# KiCad board polygonus-Shortage-Version.kicad_pcb (continued)
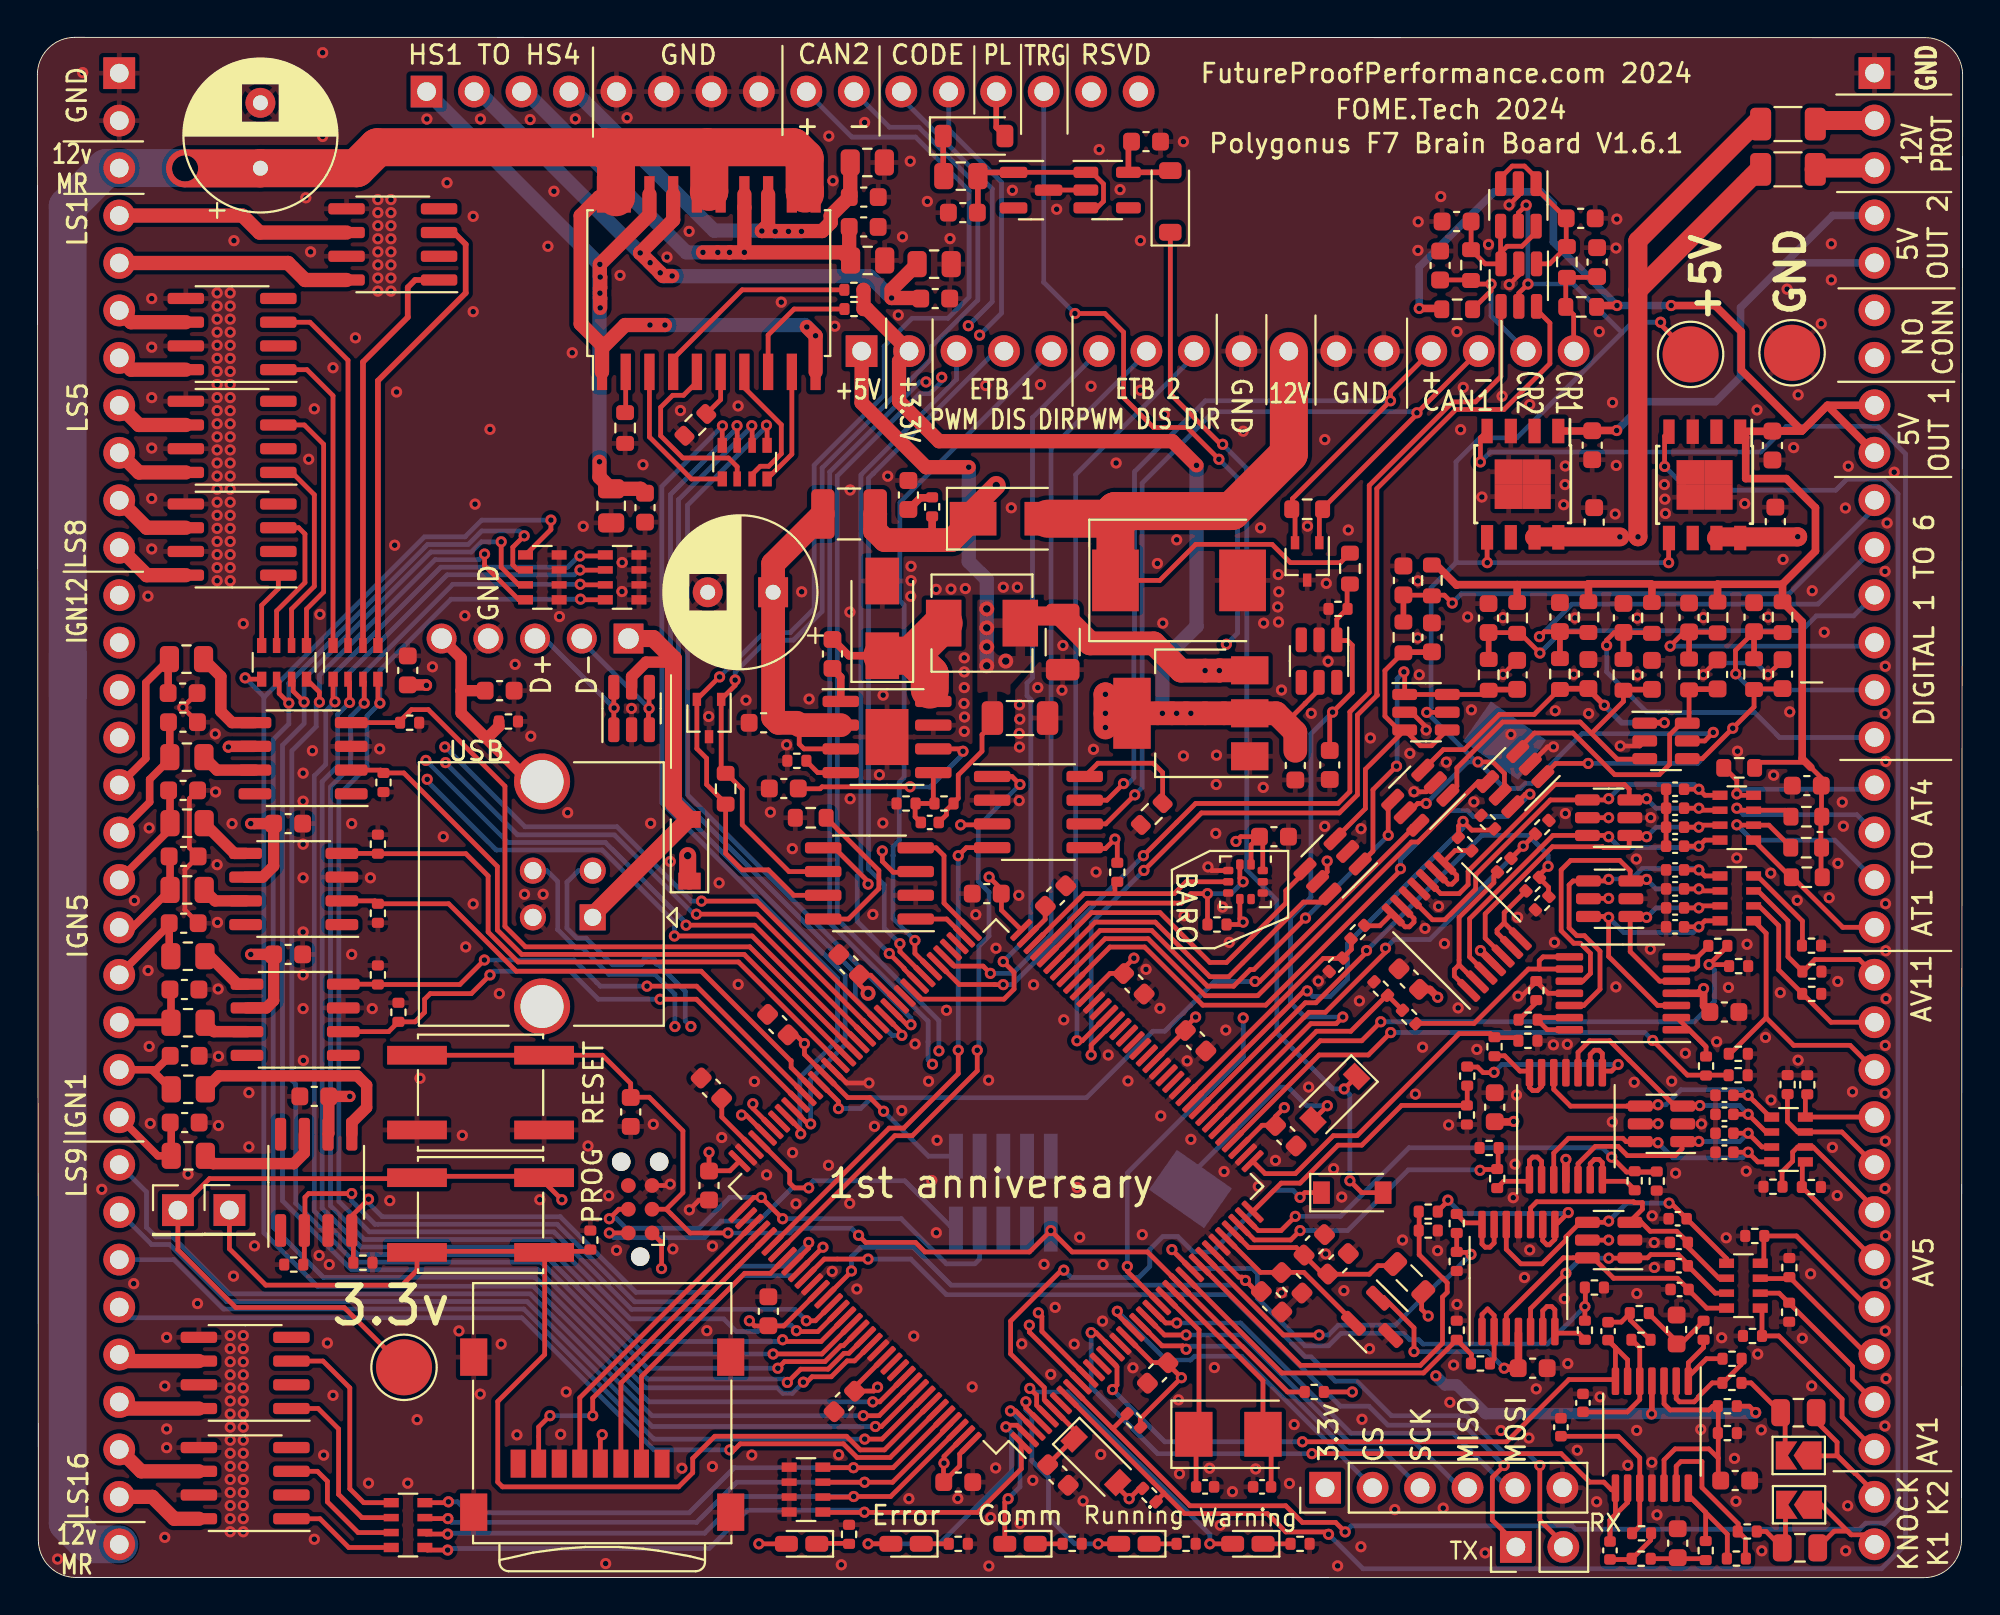
[diagram p0: board, top side]
## Routing (per net, layer and track width the routed paths; a pad name or vN(x,y) marks a point on that pad's centre or on a via; arc(x,y) is an arc through that point) (continued)
/IGN12: length 50.1
  Top w0.254: v1(35.53,36.21) 38.49,36.21 44.99,29.72 U26.87
  In2.Cu w0.254: J4.12 4.49,52.58 9.81,47.26 11.86,47.26 12.9,46.23 20.03,46.23 v1(21.8,44.46)
  Bottom w0.254: v1(21.8,44.46) 21.82,44.46 26.09,40.19 31.01,40.19 34.99,36.21 v1(35.53,36.21)
/Keep_Alive/Keep_Alive: length 58.1
  Top w0.254: v1(69.92,26.16) D6.1 ; v1(63.42,60.66) 63.32,60.66 60.62,63.35 60.62,63.35 D17.1 ; D7.2 70.86,20.61 v1(70.23,21.24)
  Bottom w0.254: v1(70.23,21.24) 70.23,25.85 v1(69.92,26.16) 69.32,26.16 66.32,29.16 66.32,36.26 64.71,37.86 64.71,59.36 v1(63.42,60.66)
/knock/FILTERED_1: length 36.3
  Top w0.254: U26.14 57.76,11.29 57.76,10.3 v1(57.53,10.07) ; v1(67.69,7.27) 78.61,7.27 81.94,10.6 84.43,10.6 84.43,12.31 84.04,12.71 85.08,11.66 85.08,10.6
  Bottom w0.254: v1(67.69,7.27) 60.32,7.27 v1(57.53,10.07)
/knock/FILTERED_2: length 40.9
  Top w0.254: U26.15 56.64,13.11 v1(56.38,13.11) ; v1(68.19,6.64) 81.53,6.64 83.05,5.11 83.81,5.11 84.23,4.7 84.43,4.7 84.43,3.38 84.14,3.09 84.14,1.94 84.14,3.08 85.08,4.02 85.08,4.7
  Bottom w0.254: v1(56.38,13.11) 56.38,10.19 59.94,6.64 v1(68.19,6.64)
/knock/V_mid: length 13.4
  Top w0.254: 89.93,6.39 89.93,7.73 89.94,7.74 89.93,7.74 89.93,9.18 89.64,9.18 89.44,8.97 87.36,8.97 87.03,9.3 87.03,10.6 ; 89.93,6.39 89.44,6.89 87.62,6.89 87.03,6.3 87.03,4.7 ; 89.93,6.39 89.93,5.31 90.05,5.2
/KNOCK_1: length 8.5
  Top w0.254: 97.27,5.56 96.31,6.52 94.98,6.52 JP1.1 ; 97.27,5.56 96.29,6.54 96.29,7.25 95.16,8.38 95.16,8.83 ; 97.27,5.56 97.29,5.56 98.29,4.56 J5.31
/KNOCK_2: length 6.4
  Top w0.254: 97.05,2.29 97.79,2.29 J5.32 ; 97.05,2.29 96.86,2.49 96.14,2.49 95.24,1.59 ; 97.05,2.29 95.44,3.9 JP2.1
/lowside_quad1/IN1: length 73.7
  Top w0.254: U26.123 41.63,13.75 v1(41.14,13.75) ; v1(18.33,46.81) 18.22,46.91 RN6.4 ; v1(29.06,52.37) 29.1,52.33 RN5.8
  Bottom w0.254: v1(41.14,13.75) 40.53,14.36 31.79,14.36 27.64,18.51 17.76,18.51 16.13,20.14 16.13,41.9 17.64,43.4 17.64,46.12 v1(18.33,46.81) 18.33,48.56 22.13,52.37 29.06,52.37 v1(29.06,52.37)
/lowside_quad1/IN2: length 76.2
  Top w0.254: v1(29.04,53.16) 29.07,53.13 RN5.7 ; v1(40.61,13.22) 40.66,13.17 41.76,13.17 U26.124 ; v1(17.49,46.81) 17.49,47.94 17.42,48.01 RN6.3
  Bottom w0.254: v1(40.61,13.22) 40.31,13.52 38.88,13.52 38.53,13.17 37.4,13.17 36.72,13.85 31.72,13.85 27.47,18.1 17.48,18.1 15.69,19.9 15.69,42.33 16.75,43.39 16.75,46.06 v1(17.49,46.81) 17.47,46.82 17.47,48.41 22.23,53.16 v1(29.04,53.16)
/lowside_quad1/IN3: length 78.1
  Top w0.254: RN6.2 16.62,48.01 16.7,47.93 v1(16.7,46.84) ; v1(39.87,12.73) 39.97,12.64 41.93,12.64 U26.125 ; v1(29.03,53.93) 29.04,53.92 30.37,53.92 RN5.6
  Bottom w0.254: v1(29.03,53.93) 28.99,53.93 28.73,53.67 21.93,53.67 16.7,48.45 v1(16.7,46.84) 16.06,46.2 16.06,43.43 15.23,42.6 15.23,19.77 17.31,17.7 27.3,17.7 32.36,12.64 39.78,12.64 v1(39.87,12.73)
/lowside_quad1/IN4: length 80.2
  Top w0.254: RN5.5 30.33,54.68 v1(29.03,54.68) ; U26.126 41.97,11.97 v1(39.36,11.97) ; RN6.1 15.82,46.97 v1(15.92,46.87)
  Bottom w0.254: v1(39.36,11.97) 32.45,11.97 27.13,17.29 17.14,17.29 14.82,19.62 14.82,42.91 15.43,43.52 15.43,46.38 v1(15.92,46.87) 15.92,48.42 21.58,54.08 28.37,54.08 28.97,54.68 v1(29.03,54.68)
/lowside_quad2/IN1: length 80.1
  Top w0.254: v1(39.62,11.21) 39.97,11.56 42.14,11.56 42.99,12.41 43.12,12.41 U26.127 ; RN8.4 15.09,47.4 v1(15.09,46.86) ; RN7.8 25.76,52.33 23.93,54.17 v1(23.93,54.78)
  Bottom w0.254: v1(39.62,11.21) 32.64,11.21 26.97,16.88 16.98,16.88 13.82,20.04 13.82,26.41 13.62,26.61 13.62,44.26 14.92,45.56 14.92,46.69 v1(15.09,46.86) 15.09,48.29 21.28,54.49 23.63,54.49 v1(23.93,54.78)
/lowside_quad2/IN2: length 82.8
  Top w0.254: v1(14.27,46.86) 13.69,47.44 13.69,48 RN8.3 ; U26.128 43.42,12.01 43.16,12.01 42.31,11.16 40.84,11.16 v1(40.13,10.45) ; RN7.7 25.76,53.13 24.82,54.08 v1(24.82,55.44)
  Bottom w0.254: v1(40.13,10.45) 39.94,10.63 32.65,10.63 26.8,16.48 16.81,16.48 13.12,20.17 13.12,44.56 14.27,45.71 v1(14.27,46.86) 14.27,48.12 21.05,54.89 23.22,54.89 23.76,55.44 v1(24.82,55.44)
/lowside_quad2/IN3: length 86.5
  Top w0.254: RN7.6 25.71,53.93 25.44,54.21 25.44,55.15 v1(26.05,55.76) ; v1(40.98,10.46) 41.16,10.46 41.45,10.75 42.48,10.75 43.32,11.6 43.72,11.6 U26.129 ; RN8.2 12.94,47.95 12.94,47.32 v1(13.45,46.81)
  Bottom w0.254: v1(26.05,55.76) 25.79,56.02 23.77,56.02 23.05,55.3 20.88,55.3 13.45,47.87 v1(13.45,46.81) 13.45,45.69 12.62,44.86 12.62,18.76 15.3,16.07 26.63,16.07 32.54,10.16 39.6,10.16 39.89,9.87 40.39,9.87 v1(40.98,10.46)
/lowside_quad2/IN4: length 91.4
  Top w0.254: v1(11.12,48.16) 11.19,48.09 RN8.1 11.99,48.09 11.92,48.16 ; RN7.5 27.48,56.09 v1(27.48,56.6) ; U26.134 45.07,9.41 v1(44.7,9.41)
  Bottom w0.254: v1(44.7,9.41) 32.72,9.41 26.53,15.59 14.98,15.59 12.12,18.46 12.12,47.11 12.14,47.13 ; 12.14,47.13 v1(11.12,48.16) ; 12.14,47.13 20.71,55.7 22.88,55.7 23.78,56.6 v1(27.48,56.6)
/lowside_quad4/IN1: length 31.8
  Top w0.254: U26.140 45.79,5.88 v1(43.67,5.88) 42.05,5.88 RN9.8 ; v1(21.99,4.06) 21.95,4.01 RN10.4
  Bottom w0.254: v1(21.99,4.06) 22.48,4.06 23.07,3.47 34.87,3.47 37.29,5.88 v1(43.67,5.88)
/lowside_quad4/IN2: length 32.7
  Top w0.254: U26.141 48.88,8.23 45.75,5.1 v1(44.26,5.1) 42.03,5.1 RN9.7 ; v1(21.96,3.16) 20.78,3.16 RN10.3
  Bottom w0.254: v1(21.96,3.16) 22.17,2.96 35.27,2.96 37.42,5.1 v1(44.26,5.1)
/lowside_quad4/IN3: length 32.5
  Top w0.254: RN9.6 43.65,4.31 v1(43.68,4.34) 45.66,4.34 U26.142 ; RN10.2 20.81,2.33 v1(21.95,2.33)
  Bottom w0.254: v1(21.95,2.33) 22,2.38 35.7,2.38 37.66,4.34 v1(43.68,4.34)
/lowside_quad4/IN4: length 37.5
  Top w0.254: U26.1 52.65,5.83 50.31,3.49 44.26,3.49 v1(44.25,3.5) 44.24,3.49 42.05,3.49 RN9.5 ; v1(21.95,1.48) 20.87,1.48 RN10.1
  Bottom w0.254: v1(44.25,3.5) 44.14,3.61 37.99,3.61 35.94,1.56 22.04,1.56 v1(21.95,1.48)
/LS1: length 12.5
  Top w0.762: J4.4 10.97,72.9 11.88,71.99 U1001.6
/LS2: length 12.5
  Top w0.762: J4.5 13.41,70.36 14.32,69.45 U1001.8
/LS3: length 3.8
  Top w0.762: J4.6 5.01,67.19 7.94,67.19
/LS4: length 3.8
  Top w0.762: 7.94,64.65 5.01,64.65 J4.7
/LS5: length 4
  Top w0.762: 7.94,61.69 5.43,61.69 J4.8
/LS6: length 4
  Top w0.762: J4.9 5.43,59.15 7.94,59.15
/LS7: length 4.2
  Top w0.762: 7.94,56.19 5.85,56.19 J4.10
/LS8: length 4.2
  Top w0.762: J4.11 5.85,53.65 7.94,53.65
/LS9: length 49.8
  Top w0.254: v1(44.19,8.67) 45.03,8.67 U26.135
  Bottom w0.254: J4.24 5.84,20.64 5.84,18.75 6.35,18.23 7.24,18.23 10.29,15.19 26.37,15.19 32.88,8.67 v1(44.19,8.67)
/LS10: length 48.3
  Top w0.254: v1(44.84,8.09) 45.16,8.09 U26.136
  Bottom w0.254: J4.25 6.11,17.83 7.07,17.83 10.12,14.78 26.2,14.78 32.89,8.09 v1(44.84,8.09)
/LS11: length 48
  Top w0.254: U26.137 45.19,7.41 v1(44.27,7.41)
  Bottom w0.254: J4.26 7.31,17.02 9.95,14.37 26.03,14.37 32.99,7.41 v1(44.27,7.41)
/LS12: length 48.5
  Top w0.254: U26.139 45.62,6.43 43.86,6.43 43.13,7.16 37.6,7.16 37.28,6.84 v1(37.05,6.84)
  Bottom w0.254: J4.27 4.95,13.91 25.92,13.91 32.99,6.84 v1(37.05,6.84)
/LS13: length 4.4
  Top w0.762: U1201.6 4.73,11.59 J4.28
/LS14: length 4.4
  Top w0.762: J4.29 4.73,9.05 U1201.8
/LS15: length 4.7
  Top w0.762: J4.30 5.55,5.69 8.64,5.69
/LS16: length 4.7
  Top w0.762: J4.31 6.15,4.32 7.32,3.15 U1202.8
/mcu/AT1: length 24.9
  Top w0.254: 78.82,38.48 v1(79.5,39.15) 80.17,39.82 ; U26.44 68.04,30.26 68.91,30.26 72.13,33.48 v1(72.13,33.69)
  Bottom w0.254: v1(72.13,33.69) 72.59,34.15 74.5,34.15 v1(79.5,39.15)
/mcu/AT2: length 27.8
  Top w0.254: v1(80.83,38.07) 80.35,37.59 80.35,37.46 80.86,36.95 80.86,36.44 ; U26.45 67.84,30.77 68.41,30.77 71.11,33.47 v1(71.11,33.56)
  Bottom w0.254: v1(71.11,33.56) 77.28,39.73 79.77,39.73 80.83,38.67 v1(80.83,38.07)
/mcu/AT3: length 24.9
  Top w0.254: v1(67.94,31.4) 67.77,31.4 U26.46 ; 76.04,39.6 76.04,40.23 v1(76.28,40.47) 76.74,40.01 77.79,40.01
  Bottom w0.254: v1(76.28,40.47) 76.28,40.12 70.1,33.94 70.1,32.04 69.16,31.1 68.24,31.1 v1(67.94,31.4)
/mcu/AT4: length 12.6
  Top w0.254: 70.3,34.2 70.3,33.62 69.82,33.14 68.8,33.14 U26.47
/mcu/AUX_SPI_CS: length 19.2
  Top w0.254: U26.18 57.78,14.1 v1(57.78,14.26)
  Bottom w0.254: v1(57.78,14.26) 60.39,11.65 61.7,11.65 61.91,11.85 64.43,11.85 71.44,4.84 J11.2
/mcu/AUX_SPI_MISO: length 20.9
  Top w0.254: U26.20 60.31,12.99 v1(61.46,12.99)
  Bottom w0.254: v1(61.46,12.99) 64.44,12.99 70.21,7.22 73.71,7.22 76.11,4.81 J11.4
/mcu/AUX_SPI_MOSI: length 23.3
  Top w0.254: U26.21 60.37,13.63 v1(60.96,13.63)
  Bottom w0.254: J11.5 78.65,4.81 75.74,7.73 70.28,7.73 64.37,13.63 v1(60.96,13.63)
/mcu/AUX_SPI_SCK: length 18.7
  Top w0.254: v1(61.46,12.22) 61.28,12.41 60.18,12.41 U26.19
  Bottom w0.254: v1(61.46,12.22) 61.62,12.38 64.47,12.38 70.08,6.77 72.01,6.77 J11.3
/mcu/BARO_SCL: length 14.9
  Top w0.254: U24.2 64.34,37.42 v1(64.51,37.24) ; 62.61,34.98 v1(62.61,36.61) 61.72,36.61 61.21,36.1 56.2,36.1 U26.69
  Bottom w0.254: v1(62.61,36.61) 63.88,36.61 v1(64.51,37.24)
/mcu/BARO_SDA: length 12.4
  Top w0.254: 57.65,36.61 57.65,37.14 57.78,37.27 ; 57.65,36.61 56,36.61 U26.70 ; 57.65,36.61 60.83,36.61 61.46,37.24 U24.4
/mcu/BOOT0: length 63.1
  Top w0.254: 29.59,17.58 29.47,17.46 27.14,17.46 ; J16.1 10.28,17.6 12.22,15.66 19.52,15.66 20.32,16.46 20.31,16.46 SW2.1 ; 27.14,17.46 20.34,17.46 ; 27.14,17.46 27.14,11.94 24.63,9.43 24.63,5.11 24.89,4.86 34.31,4.86 35.06,5.62 35.06,6.38 36.25,7.57 43.3,7.57 44.03,6.84 45.32,6.84 U26.138
/mcu/CAN2_RX: length 6.3
  Top w0.254: U5.4 48.09,39.06 48.51,38.64 48.51,36.1 49.94,34.67 U26.73
/mcu/CAN2_TX: length 3
  Top w0.254: U5.1 48.65,35.25 U26.74
/mcu/CAN_RX: length 27.4
  Top w0.254: v1(49.27,28.23) 49.27,26.98 46.36,24.06 45.58,24.06 U26.114 ; U4.4 49.7,39.07 v1(49.27,38.64)
  Bottom w0.254: v1(49.27,38.64) v1(49.27,28.23)
/mcu/CAN_TX: length 33
  Top w0.254: U4.1 52.14,42.88 v1(52.57,42.45) ; U26.115 45.88,23.65 46.81,23.65 50.29,27.13 v1(50.29,28.23)
  Bottom w0.254: v1(50.29,28.23) 50.37,28.31 50.37,33.79 50.92,34.34 50.92,36.68 50.34,37.26 50.34,40.22 v1(52.57,42.45)
/mcu/DIGITAL1: length 38.9
  Top w0.254: 73.55,40.21 73.55,40.06 65.4,31.91 v1(65.15,31.91) ; v1(42.86,25.1) 42.86,25.48 U26.96
  Bottom w0.254: v1(65.15,31.91) 62.99,31.91 60.32,29.24 59.68,29.24 56.13,25.69 44.63,25.69 44.04,25.1 v1(42.86,25.1)
/mcu/DIGITAL2: length 32.9
  Top w0.254: v1(72.93,37.94) 72.93,37.85 65.72,30.64 62.35,30.64 59.24,33.75 57.39,33.75 U26.64 ; v1(79.86,41.93) 79.61,41.93 U8.6
  Bottom w0.254: v1(79.86,41.93) 78.66,40.74 76.83,40.74 76.52,41.05 76.04,41.05 76.04,41.05 75.55,41.05 72.93,38.43 v1(72.93,37.94)
/mcu/DIGITAL3: length 29.3
  Top w0.254: U26.65 57.13,34.2 59.43,34.2 62.48,31.15 65.29,31.15 73.52,39.37 73.87,39.37 77.1,42.6 U8.4
/mcu/DIGITAL4: length 18.7
  Top w0.254: U9.6 68.74,36.16 67.74,36.16 63.75,32.16 62.73,32.16 59.81,35.08 56.6,35.08 U26.67
/mcu/DIGITAL5: length 24.9
  Top w0.254: v1(72.28,39.73) 72.28,41.37 U10.4 ; U26.66 56.86,34.64 59.62,34.64 62.61,31.66 64,31.66 64.89,32.54 65.09,32.54 v1(67.85,35.3)
  Bottom w0.254: v1(72.28,39.73) v1(67.85,35.3)
/mcu/DIGITAL6: length 18.2
  Top w0.254: U26.68 56.4,35.59 60.07,35.59 62.73,32.93 63.62,32.93 66.8,36.1 66.8,36.77 67.82,37.79
/mcu/LED1: length 14.5
  Top w0.254: D10.2 v1(44.44,1.81) ; v1(51.82,8.07) 51.91,8.16 52.41,8.16 U26.2
  Bottom w0.254: v1(44.44,1.81) 48.25,1.81 52.12,5.68 52.12,7.77 v1(51.82,8.07)
/mcu/LED2: length 9.4
  Top w0.254: U26.3 52.35,8.92 v1(52.06,8.92) ; v1(51.94,4.22) 51.76,4.05 D11.2
  Bottom w0.254: v1(51.94,4.22) 52.57,4.86 52.57,8.41 v1(52.06,8.92)
/mcu/LED3: length 12.5
  Top w0.254: D12.2 v1(56.76,1.81) ; U26.4 52.89,9.09 v1(52.89,9.41)
  Bottom w0.254: v1(56.76,1.81) 55.49,1.81 54.1,3.21 54.1,5.37 53.21,6.26 53.21,8.66 52.89,8.98 v1(52.89,9.41)
/mcu/LED4: length 16.5
  Top w0.254: U26.5 53.47,9.22 53.47,9.76 v1(53.1,10.13) ; v1(62.73,1.81) D13.2
  Bottom w0.254: v1(53.1,10.13) 53.29,9.94 55.11,9.94 62.73,2.32 v1(62.73,1.81)
/mcu/nRESET: length 61.1
  Top w0.254: v1(43.94,18.32) 44.32,17.94 46.98,17.94 47.49,17.43 53.08,17.43 v1(54.22,18.57) 55.37,17.43 59.4,17.43 U26.25 66.89,9.94 67.84,9.94 ; SW1.1 SW1.1 30.23,27.96 31.74,26.45 31.74,25.71 32.74,25.71 34.54,23.91 34.54,20.61 33.65,19.72 ; J9.3 33.65,19.72 ; 33.65,19.72 34.92,18.45 v1(36.95,18.45)
  Bottom w0.254: J8.10 v1(54.22,18.57) ; v1(43.94,18.32) 43.56,18.7 40.51,18.7 40.25,18.45 v1(36.95,18.45)
/mcu/SD_CS: length 15
  Top w0.254: J10.2 32.32,10.77 37.84,16.29 39.22,16.29 U26.116
/mcu/SD_MISO: length 18.7
  Top w0.254: J10.7 26.82,8.06 v1(27.43,8.67) ; v1(29.71,8.67) 29.71,9.61 U26.112
  Bottom w0.254: v1(27.43,8.67) v1(29.71,8.67)
/mcu/SD_MOSI: length 15.3
  Top w0.254: U26.113 31.22,10.41 J10.3
/mcu/SD_SCK: length 16.6
  Top w0.254: J10.5 29.02,9.63 U26.111
/mcu/SWCLK: length 26.6
  Top w0.254: v1(30.6,19.21) 31.11,19.72 J9.4 ; v1(39.87,19.21) v1(38.73,20.35) 38.33,20.35 U26.109
  Bottom w0.254: v1(38.73,20.35) 37.05,20.35 35.39,18.7 31.49,18.7 30.98,19.21 v1(30.6,19.21) ; v1(39.87,19.21) 46.22,19.21 48.64,16.8 50.16,16.8 50.41,17.05 J8.4
/mcu/SWDIO: length 26.1
  Top w0.254: J9.2 v1(30.6,18.45) ; v1(41.27,20.86) 40.51,20.86 40.25,21.11 40.25,21.72 U26.105
  Bottom w0.254: v1(30.6,18.45) 30.86,18.19 35.69,18.19 36.58,19.08 38.6,19.08 40.38,20.86 v1(41.27,20.86) 41.27,20.99 41.52,21.24 46.41,21.24 48.99,18.66 J8.2
/mcu/UART_RX: length 49.4
  Top w0.254: 81.66,1.81 80.39,3.08 v1(80.39,6) ; U26.122 43.56,16.38 v1(43.56,16.42)
  Bottom w0.254: v1(43.56,16.42) 43.56,17.18 44.06,17.69 46.86,17.69 48.89,15.65 64,15.65 67.84,11.82 68.14,11.82 69.44,10.52 70.59,10.52 72.44,8.67 76.45,8.67 78.48,6.64 79.75,6.64 v1(80.39,6)
/mcu/UART_TX: length 47.4
  Top w0.254: v1(44.44,17.05) 42.1,17.05 U26.119 ; v1(78.48,6) 77.85,5.37 77.85,3.08 79.12,1.81
  Bottom w0.254: v1(78.48,6) 76.32,8.16 72.26,8.16 71.24,9.18 69.72,9.18 63.75,15.15 48.64,15.15 46.73,17.05 v1(44.44,17.05)
/mcu/VR_1: length 58.6
  Top w0.254: v3(59.21,37.85) 62.28,40.93 69.66,40.93 70.63,41.9 70.63,46.17 71.69,47.23 71.67,47.26 71.67,58.29 75.9,62.52 78.47,62.52 80.93,64.98 80.93,67.15 80.21,67.86 U14.6 ; U26.58 56.38,28.5 v3(56.38,27.97)
  Bottom w0.254: v3(56.38,27.97) 56.38,35.03 v3(59.21,37.85)
/mcu/VR_2: length 56
  Top w0.254: U26.59 55.91,28.73 v3(55.62,28.73) ; v3(59.18,38.64) 60.95,40.42 ; 60.95,40.42 61.97,41.43 69.59,41.43 70.22,42.07 70.22,46.34 71.26,47.37 71.26,58.45 75.73,62.93 76.94,62.93 78.3,64.29 78.3,68.03 U14.4
  Bottom w0.254: v3(55.62,28.73) 55.62,35.08 v3(59.18,38.64)
/Perm_Live: length 2.6
  Top w0.305: J7.13 51.3,77.62 D16.2
/quad_analog3/IN4: length 4.9
  Top w0.254: 94.44,33.83 94.44,35.14 92.02,37.55 RN4.4
/quad_analog3/OUT4: length 1.3
  Top w0.254: 79.28,29.86 80.2,30.78
/RC1: length 81.2
  Top w0.254: U26.10 55.82,10.39 53.07,13.14 v1(53.07,13.51)
  In1.Cu w0.254: v1(49.81,67) 49.78,66.98 48.79,66.98 47.86,66.05 47.86,64.49 47.55,64.18 v1(47.55,63.99) ; v1(53.07,13.51) 51.02,15.57 51.02,24.47 48.01,27.48 v1(47.89,27.48)
  Bottom w0.254: J7.11 46.22,79.2 51.09,74.33 51.09,68.29 v1(49.81,67) ; v1(47.55,63.99) 47.21,63.99 42.39,59.18 42.39,35.05 47.66,29.78 47.66,28.68 47.66,27.71 v1(47.89,27.48)
/RC2: length 80.4
  Top w0.254: U26.11 53.75,13.18 53.75,13.99 v1(53.56,14.18)
  In1.Cu w0.254: v1(53.56,14.18) 53.24,14.18 51.47,15.94 51.47,24.73 48.24,27.97 v1(48.24,28.19) ; v1(48.39,64.24) 48.41,64.27 49.61,64.27 50.44,65.1 50.44,66.47 v1(50.41,66.5)
  Bottom w0.254: J7.12 48.76,77.51 51.59,74.68 51.59,67.68 v1(50.41,66.5) ; v1(48.24,28.19) 48.24,29.81 42.8,35.24 42.8,58.96 47.2,63.37 47.74,63.37 48.39,64.01 v1(48.39,64.24)
/Trig_Scope: length 76.9
  Top w0.254: v1(58.32,16.66) 58.32,16.39 U26.22 ; v1(55.52,67.66) 57.12,67.66 58.12,66.66 58.12,63.16 59.72,61.56 61.52,61.56 v1(63.22,59.86)
  In1.Cu w0.254: v1(63.62,49.96) 64.82,48.76 64.82,46.46 66.52,44.76 66.62,44.76 66.62,32.06 v1(64.52,29.96)
  Bottom w0.254: v1(58.32,16.66) 58.32,21.66 64.52,27.86 v1(64.52,29.96) ; v1(63.62,49.96) 64.22,50.56 64.22,58.86 v1(63.22,59.86) ; v1(55.52,67.66) 53.84,69.33 J7.14
/USB_D+: length 41.2
  Top w0.254: U26.104 38.97,23.7 37.92,24.76 v3(37.68,24.76) ; U27.6 30.84,46.56 v3(30.86,46.54) 30.84,46.53 U27.1
  In1.Cu w0.254: v3(30.86,46.54) 31.49,45.91 31.49,43.17 27.88,39.56 27.88,38.24 27.48,37.84 J14.3 ; v3(37.68,24.76) 37.68,25 34.28,28.39 34.28,29.32 v3(34.11,29.5)
  Bottom w0.254: v3(34.11,29.5) 34.11,31.21 33.04,32.29 30.57,32.29 29.15,33.71 28.81,33.71 27.84,34.68 27.84,37.26 27.26,37.84 J14.3 ; J13.3 27.13,50.26 30.85,46.54 v3(30.86,46.54)
/USB_D-: length 40.9
  Top w0.254: U27.4 32.73,47.64 v3(32.73,46.52) 32.69,46.48 32.69,45.43 U27.3 ; U26.103 39.33,24.06 38.28,25.12 v3(38.28,25.36)
  In1.Cu w0.254: J14.2 28.91,37.84 28.41,38.33 28.41,39.33 32,42.92 32,45.79 v3(32.73,46.52) ; v3(34.97,29.5) 34.79,29.32 34.79,28.6 38.03,25.36 v3(38.28,25.36)
  Bottom w0.254: J13.2 29.13,50.12 v3(32.73,46.52) ; v3(34.97,29.5) 34.67,29.8 34.67,31.38 33.25,32.8 33.2,32.8 33.16,32.82 33.12,32.84 33.08,32.88 33.06,32.92 33.04,32.96 33.03,33.06 33.01,33.1 32.99,33.14 32.96,33.18 32.92,33.2 32.87,33.22 32.82,33.22 32.65,33.22 32.6,33.22 32.56,33.2 32.52,33.18 32.48,33.14 32.46,33.1 32.44,33.06 32.43,32.96 32.41,32.92 32.39,32.88 32.36,32.84 32.32,32.82 32.27,32.8 32.22,32.8 30.78,32.8 29.36,34.22 28.87,34.22 28.33,34.76 28.33,37.23 28.95,37.84 J14.2
/USB_SHIELD: length 26.3
  Top w0.61: 24.04,44.9 26.29,42.65 27,42.65 ; 24.04,44.9 24.69,45.56 R98.1 ; 24.04,44.9 22.67,46.27 22.67,47.46 ; 22.67,47.46 22.67,49.22 J13.5 ; 22.67,47.46 22.68,47.47 C83.1
  In1.Cu w0.762: 27,42.65 25.14,40.79 25.14,32.47 27,30.61
/VR1+: length 5.8
  Top w0.254: J6.16 82.2,67.59 R36.2 81.78,69.53 R38.2 83.41,69.59 C37.1
/VR2+: length 8.9
  Top w0.254: C36.1 76.68,69.45 R37.2 76.9,69.23 v1(77.78,69.23) 77.78,68.87 R35.2
  Bottom w0.254: J6.15 77.78,67.52 v1(77.78,69.23)
Net-(BT1-+): length 11.5
  Top w0.254: D6.2 v1(69.02,25.26)
  Bottom w0.254: BT1.1 61.7,21.54 66.42,26.26 66.92,26.26 67.92,25.26 v1(69.02,25.26)
Net-(C4-Pad1): length 1.5
  Top w0.406: 47.87,57.79 47.24,57.79 46.6,57.16
Net-(C16-Pad1): length 5.2
  Top w0.254: 91.15,10.42 91.69,10.42 93.51,8.6 JP1.2
Net-(C17-Pad1): length 4.1
  Top w0.254: JP2.2 93.53,1.76 93.37,1.59 92.49,2.47 91.97,2.47
Net-(C18-Pad2): length 4.2
  Top w0.254: 89.15,13.73 87.92,12.49 87.71,12.49 87.71,12.64 86.19,14.16
Net-(C19-Pad2): length 3
  Top w0.254: R18.1 89.19,1.01 86.29,1.01
Net-(C20-Pad1): length 3.2
  Top w0.254: 86.28,12.73 85.22,13.79 85.22,14.16 84.74,13.68 84.04,13.68
Net-(C21-Pad1): length 3
  Top w0.254: 84.14,0.97 85.28,0.97 86.32,2 86.32,2.37
Net-(D3-K): length 9.3
  Top w0.406: D3.1 43.42,49.34 42.54,50.22
  Top w2.032: 47.75,47.53 47.75,48.34 46.74,49.34 ; D3.1 46.74,49.34 ; 46.74,49.34 L2.1
Net-(D7-K): length 31
  Top w0.254: D7.1 67.81,20.61 v1(67.56,20.35) ; v1(54.92,16.46) 54.8,16.46 52.07,13.73 52.07,11.97 53.87,10.17 53.87,9.52 U26.6 55.47,7.92 D8.1 55.44,7.42 C80.1
  Bottom w0.254: v1(54.92,16.46) 55.31,16.06 58.92,16.06 59.52,16.66 59.52,17.56 60.22,18.26 61.02,18.26 61.84,17.43 62.86,17.43 66.16,20.73 67.18,20.73 v1(67.56,20.35)
Net-(D9-K): length 1.7
  Top w0.254: D9.1 41.72,1.83 43.43,1.83
Net-(D10-K): length 1.5
  Top w0.254: D10.1 48.79,1.81
Net-(D11-K): length 1.5
  Top w0.254: 54.88,1.81 D11.1
Net-(D12-K): length 1.5
  Top w0.254: D12.1 60.98,1.81
Net-(D13-K): length 1.5
  Top w0.254: D13.1 67.07,1.81
Net-(D14-A): length 22.3
  Top w0.61: 34.03,49.18 33.85,49 32.57,49 31.79,48.23 U27.5
  Top w0.914: J13.1 32.95,50.26 34.03,49.18 34.03,41.44 D14.2 34.83,40.58 29.71,35.46
Net-(D16-K): length 2.2
  Top w0.305: R107.1 48.47,75.04 D16.1
Net-(D17-A): length 4
  Top w0.305: D17.2 60.52,75.21 U41.5 58.37,76.69 C90.2
Net-(IC1-I/O_1): length 11
  Top w0.254: U41.3 56.69,73.31 57.04,73.66 57.04,74.59 56.42,75.21 U41.1 52.23,75.21 IC1.1
  Top w0.305: C89.1 50.32,73.09 R107.2 50.52,75.21 IC1.1
Net-(J5-Pin_2): length 3.3
  Top w0.254: 95.06,77.8 95.26,77.99
  Top w1.016: 95.26,77.99 J5.2
Net-(J5-Pin_3): length 3.3
  Top w1.016: J5.3 95.14,75.45 95.06,75.37
Net-(R15-Pad1): length 4.9
  Top w0.254: 89.15,12.76 89.15,12.32 88.33,11.5 88.33,10.6 88.33,10.75 89.3,11.72 90.19,11.72
Net-(R16-Pad1): length 7.7
  Top w0.254: 89.26,1.93 89.26,3.5 88.33,4.43 88.33,4.7 88.33,4.41 90.42,2.33 90.42,1.02
Net-(RN1-R1.2): length 19.8
  Top w0.254: v1(84.07,39.66) 84,39.72 81.09,39.72 76.63,35.27 76.63,33.22 77.57,32.28 ; 88.11,39.15 v1(88.89,39.15) 89.22,39.47 RN1.8
  Bottom w0.254: v1(88.89,39.15) 88.82,39.08 84.65,39.08 v1(84.07,39.66)
Net-(RN1-R2.2): length 18.5
  Top w0.254: 78.49,33.2 77.46,34.23 77.46,35.53 81.06,39.12 83.75,39.12 83.79,39.08 85.1,39.08 85.17,39.14 85.17,39.72 86.03,39.72 v1(86.1,39.66) ; 88.11,40.16 v1(88.89,40.16) 89,40.27 RN1.7
  Bottom w0.254: v1(88.89,40.16) 86.61,40.16 v1(86.1,39.66)
Net-(RN1-R3.2): length 20.6
  Top w0.254: v1(86.1,41.69) 86.03,41.62 85.17,41.62 85.17,42.2 84.92,42.45 81.19,42.45 76.55,37.81 76.55,37.09 76.07,36.61 75.08,36.61 74.31,37.38 ; RN1.6 89,41.07 v1(88.89,41.18) 88.11,41.18
  Bottom w0.254: v1(86.1,41.69) 86.61,41.18 v1(88.89,41.18)
Net-(RN1-R4.2): length 21.6
  Top w0.254: RN1.5 89.22,41.87 v1(88.89,42.2) 88.11,42.2 ; v1(84.07,41.69) 84,41.62 80.95,41.62 76.96,37.62 76.96,36.86 75.31,35.21 74.64,35.21 73.4,36.46
  Bottom w0.254: v1(88.89,42.2) 88.64,42.45 84.83,42.45 v1(84.07,41.69)
Net-(RN2-R1.2): length 15.2
  Top w0.254: RN2.8 89.32,14.43 88.35,15.39 88.35,15.42 87.75,16.02 84.33,16.02 83.24,17.12 81.65,17.12 78.59,14.06 78.59,13.08
Net-(RN2-R2.2): length 13.8
  Top w0.254: v1(84.08,17.1) 85.15,17.1 85.17,17.12 86.15,17.12 86.33,17.29 87.8,17.29 88.31,16.77 ; v1(81.78,16.29) 79.89,14.4 79.89,13.08 ; RN2.7 89.78,15.23 88.31,16.69
  Bottom w0.254: v1(81.78,16.29) 82.59,17.1 v1(84.08,17.1)
Net-(RN2-R3.2): length 14.9
  Top w0.254: RN2.6 89.97,16.03 88.31,17.69 88.31,17.94 87.71,18.54 86.29,18.54 85.82,19.02 85.17,19.02 85.88,19.72 85.88,20.07 85.45,20.07 85.4,20.12 80.22,20.12 79.89,19.79 79.89,18.98
Net-(RN2-R4.2): length 16.4
  Top w0.254: 78.59,18.98 78.59,17.57 79.37,16.8 80.51,16.8 81.78,18.07 81.78,18.24 82.56,19.02 84,19.02 v1(84.07,19.08) ; v1(87.3,20.04) 87.41,20.04 90.38,17.07 RN2.5
  Bottom w0.254: v1(84.07,19.08) 85.03,20.04 v1(87.3,20.04)
Net-(RN3-R1.2): length 15.1
  Top w0.254: 90.75,22.77 v1(91.53,22.77) 92.05,22.25 RN3.8 ; 81.13,21.21 81.13,22.73 81.92,23.51 84.83,23.51 85.01,23.34 86.65,23.34 v1(86.71,23.28)
  Bottom w0.254: v1(91.53,22.77) 91.23,22.47 87.52,22.47 v1(86.71,23.28)
Net-(RN3-R2.2): length 13.7
  Top w0.254: v1(88.9,23.34) 88.89,23.34 87.99,23.34 87.99,22.95 87.63,22.59 85.07,22.59 84.57,23.08 83.36,23.08 82.43,22.16 82.43,21.21 ; RN3.7 92.27,23.05 v1(91.53,23.78) 90.75,23.78
  Bottom w0.254: v1(88.9,23.34) 91.09,23.34 v1(91.53,23.78)
Net-(RN3-R3.2): length 14.4
  Top w0.254: 90.75,24.8 v1(91.53,24.8) 92.48,23.85 RN3.6 ; v1(88.95,25.26) 88.92,25.24 87.62,25.24 85.16,27.7 84.13,28.73 83.05,28.73 82.43,28.11 82.43,27.11
  Bottom w0.254: v1(91.53,24.8) 91.07,25.26 v1(88.95,25.26)
Net-(RN3-R4.2): length 14.8
  Top w0.254: RN3.5 92.71,24.65 91.84,25.51 ; 85.06,25.24 85.79,25.24 85.79,25.24 86.64,25.24 v1(86.71,25.31) ; 81.13,27.11 81.13,26.13 82.03,25.23 85.05,25.23 85.06,25.25 ; 90.75,25.82 v1(91.53,25.82) 91.86,25.49
  Bottom w0.254: v1(91.53,25.82) 91.23,26.12 87.94,26.12 87.13,25.31 v1(86.71,25.31)
Net-(RN4-R1.2): length 15.3
  Top w0.254: 88.11,34.83 v1(88.89,34.83) 89.22,35.15 RN4.8 ; 87.78,30.62 86.69,30.62 84.07,33.25 v1(84.07,35.34) 84.02,35.39 83.02,35.39
  Bottom w0.254: v1(84.07,35.34) 84.88,34.53 88.6,34.53 v1(88.89,34.83)
Net-(RN4-R2.2): length 11
  Top w0.254: v1(86.1,35.34) 86.05,35.39 85.22,35.39 85.22,33.5 86.8,31.92 87.78,31.92 ; 88.11,35.85 v1(88.89,35.85) 89,35.95 RN4.7
  Bottom w0.254: v1(86.1,35.34) 86.61,35.85 v1(88.89,35.85)
Net-(RN4-R3.2): length 18.3
  Top w0.254: 88.11,36.86 v1(88.89,36.86) 89,36.75 RN4.6 ; v1(86.1,37.37) 86.02,37.29 85.22,37.29 85.22,37.83 84.67,38.39 82.04,38.39 81.53,37.88 81.53,34.62 82.2,33.95 82.56,33.95 83.1,33.41 83.1,32.34 82.68,31.92 81.88,31.92
  Bottom w0.254: v1(88.89,36.86) 86.61,36.86 v1(86.1,37.37)
Net-(RN4-R4.2): length 18
  Top w0.254: v1(84.07,37.37) 83.99,37.29 82.17,37.29 81.95,37.07 81.95,34.77 82.37,34.36 82.77,34.36 83.61,33.52 83.61,31.49 82.74,30.62 81.88,30.62 ; RN4.5 89.22,37.55 v1(88.89,37.88) 88.11,37.88
  Bottom w0.254: v1(84.07,37.37) 84.09,37.39 85.3,37.39 85.86,37.95 88.82,37.95 v1(88.89,37.88)
Net-(RN6-R1.2): length 16.9
  Top w0.254: RN6.8 15.82,49.89 15.82,63.26 14.42,64.65 U1002.1
Net-(RN6-R2.2): length 19.8
  Top w0.254: U1002.3 14.58,67.19 16.62,65.15 RN6.7
Net-(RN6-R3.2): length 22
  Top w0.305: U1001.1 20.21,69.45 19.82,69.06 19.82,67.46 17.42,65.06 RN6.6
Net-(RN6-R4.2): length 25.1
  Top w0.305: RN6.5 18.22,64.06 22.92,68.76 22.92,71.36 22.28,71.99 U1001.3
Net-(RN8-R1.2): length 4.1
  Top w0.254: U1102.1 12.89,52.93 12,52.04 RN8.8
Net-(RN8-R2.2): length 8.2
  Top w0.254: RN8.7 12.8,51.74 14.32,53.26 14.32,55.86 13.98,56.19 U1102.3
Net-(RN8-R3.2): length 11
  Top w0.254: U1101.1 13.62,59.15 14.82,57.96 14.82,53.06 13.6,51.84 RN8.6
Net-(RN8-R4.2): length 14
  Top w0.254: U1101.3 14.28,61.69 15.32,60.66 15.32,52.76 14.4,51.84 RN8.5
Net-(RN10-R1.2): length 6
  Top w0.254: RN10.8 16.66,1.61 15.12,3.15 13.59,3.15
